# Allegro board S071AA-0413-20260427_Power.brd (continued)
## Routing (per net, layer and track width the routed paths; a pad name or vN(x,y) marks a point on that pad's centre or on a via; arc(x,y) is an arc through that point) (continued)
45.99,414.48 ; DPS8.A05 45.99,416.1 ; DPS8.A05 45.18,415.29 ; 22.32,55.88 D119.A4 ; D119.A4 23.13,56.69 ; D119.A4 23.94,55.88 ; D119.A4 23.13,55.07 ; 37.56,60.96 D119.B10 ; D119.B10 38.37,60.15 ; D119.B10 39.18,60.96 ; D119.B10 38.37,61.77 ; DPS3.C01 89.17,19.86 ; DPS3.C01 89.17,18.24 ; DPS3.C01 89.98,19.05 ; DPS3.C01 88.36,19.05 ; 129.81,359.87 CSDPS426.C1 ; CSDPS426.C1 129.81,361.49 ; CSDPS426.C1 130.62,360.68 ; CSDPS426.C1 129,360.68 ; D427.A3 125.54,386.08 ; D427.A3 124.73,385.27 ; D427.A3 123.92,386.08 ; D427.A3 124.73,386.89 ; 40.91,405.59 D432.A7 ; D432.A7 40.1,406.4 ; D432.A7 41.72,406.4 ; D432.A7 40.91,407.21 ; 19.18,347.48 UHC230.G4_11 ; UHC230.G4_11 19.18,349.1 ; UHC230.G4_11 19.99,348.29 ; UHC230.G4_11 18.37,348.29 ; 25.67,395.43 D232.A13 ; D232.A13 26.48,396.24 ; D232.A13 25.67,397.05 ; D232.A13 24.86,396.24 ; D431.A5 46.8,386.08 ; D431.A5 45.18,386.08 ; D431.A5 45.99,385.27 ; D431.A5 45.99,386.89 ; D120.B4 23.94,40.64 ; D120.B4 22.32,40.64 ; D120.B4 23.13,41.45 ; D120.B4 23.13,39.83 ; 129.81,375.11 D227.A1 ; D227.A1 129.81,376.73 ; D227.A1 130.62,375.92 ; D227.A1 129,375.92 ; 236.49,13.16 DPS1.A01 ; DPS1.A01 235.68,13.97 ; DPS1.A01 237.3,13.97 ; DPS1.A01 236.49,14.78 ; 188.23,349.71 D114.B7 ; D114.B7 187.42,350.52 ; D114.B7 188.23,351.33 ; D114.B7 189.04,350.52 ; 268.7,388.62 D112.B4 ; D112.B4 270.32,388.62 ; D112.B4 269.51,387.81 ; D112.B4 269.51,389.43 ; CSDPS229.C11 30.75,331.01 ; CSDPS229.C11 31.56,330.2 ; CSDPS229.C11 29.94,330.2 ; CSDPS229.C11 30.75,329.39 ; 28.21,34.75 D120.A6 ; D120.A6 27.4,35.56 ; D120.A6 29.02,35.56 ; D120.A6 28.21,36.37 ; D105.B10 259.35,102.41 ; D105.B10 258.54,101.6 ; D105.B10 260.16,101.6 ; D105.B10 259.35,100.79 ; 243.3,332.74 D109.A14 ; D109.A14 244.11,333.55 ; D109.A14 244.92,332.74 ; D109.A14 244.11,331.93 ; 188.23,37.29 D104.B11 ; D104.B11 187.42,38.1 ; D104.B11 188.23,38.91 ; D104.B11 189.04,38.1 ; 253.46,373.38 D111.A10 ; D111.A10 254.27,372.57 ; D111.A10 254.27,374.19 ; D111.A10 255.08,373.38 ; D107.A8 254.27,56.69 ; D107.A8 253.46,55.88 ; D107.A8 254.27,55.07 ; D107.A8 255.08,55.88 ; D123.A6 101.87,56.69 ; D123.A6 101.06,55.88 ; D123.A6 101.87,55.07 ; D123.A6 102.68,55.88 ; DPS8.B15 21.4,412.75 ; DPS8.B15 20.59,413.56 ; DPS8.B15 19.78,412.75 ; DPS8.B15 20.59,411.94 ; 119.65,93.17 D121.A13 ; D121.A13 118.84,93.98 ; D121.A13 119.65,94.79 ; D121.A13 120.46,93.98 ; 256.81,72.85 D106.A9 ; D106.A9 256,73.66 ; D106.A9 257.62,73.66 ; D106.A9 256.81,74.47 ; 93.44,375.92 D227.A15 ; D227.A15 94.25,375.11 ; D227.A15 95.06,375.92 ; D227.A15 94.25,376.73 ; 256,33.02 D108.A9 ; D108.A9 257.62,33.02 ; D108.A9 256.81,32.21 ; D108.A9 256.81,33.83 ; D115.B4 196.66,368.3 ; D115.B4 195.85,369.11 ; D115.B4 195.85,367.49 ; D115.B4 195.04,368.3 ; 239.03,80.47 D106.B2 ; D106.B2 239.03,82.09 ; D106.B2 238.22,81.28 ; D106.B2 239.84,81.28 ; 256,350.52 D110.B9 ; D110.B9 257.62,350.52 ; D110.B9 256.81,351.33 ; D110.B9 256.81,349.71 ; 38.37,403.05 D432.A8 ; D432.A8 37.56,403.86 ; D432.A8 38.37,404.67 ; D432.A8 39.18,403.86 ; D431.A10 33.29,384.35 ; D431.A10 33.29,382.73 ; D431.A10 32.48,383.54 ; D431.A10 34.1,383.54 ; D109.B10 254.27,328.47 ; D109.B10 254.27,326.85 ; D109.B10 255.08,327.66 ; D109.B10 253.46,327.66 ; D116.B8 186.5,388.62 ; D116.B8 185.69,389.43 ; D116.B8 185.69,387.81 ; D116.B8 184.88,388.62 ; CSDPS426.B16 92.52,363.22 ; CSDPS426.B16 90.9,363.22 ; CSDPS426.B16 91.71,362.41 ; CSDPS426.B16 91.71,364.03 ; 94.25,390.35 D228.B15 ; D228.B15 95.06,391.16 ; D228.B15 94.25,391.97 ; D228.B15 93.44,391.16 ; 164.56,332.74 D113.A16 ; D113.A16 165.37,331.93 ; D113.A16 166.18,332.74 ; D113.A16 165.37,333.55 ; D110.B12 250,347.98 ; D110.B12 248.38,347.98 ; D110.B12 249.19,347.17 ; D110.B12 249.19,348.79 ; 195.85,55.07 D103.A14 ; D103.A14 195.04,55.88 ; D103.A14 196.66,55.88 ; D103.A14 195.85,56.69 ; 121.38,383.54 D427.A4 ; D427.A4 122.19,382.73 ; D427.A4 122.19,384.35 ; D427.A4 123,383.54 ; DPS2.B05 194.12,412.75 ; DPS2.B05 193.31,413.56 ; DPS2.B05 192.5,412.75 ; DPS2.B05 193.31,411.94 ; D432.A12 28.21,404.67 ; D432.A12 28.21,403.05 ; D432.A12 29.02,403.86 ; D432.A12 27.4,403.86 ; 40.91,329.39 CSDPS229.C7 ; CSDPS229.C7 40.91,331.01 ; CSDPS229.C7 41.72,330.2 ; CSDPS229.C7 40.1,330.2 ; 185.69,55.07 D103.A10 ; D103.A10 186.5,55.88 ; D103.A10 185.69,56.69 ; D103.A10 184.88,55.88 ; D112.B15 242.38,391.16 ; D112.B15 240.76,391.16 ; D112.B15 241.57,391.97 ; D112.B15 241.57,390.35 ; 276.32,335.28 D109.A1 ; D109.A1 277.13,334.47 ; D109.A1 277.13,336.09 ; D109.A1 277.94,335.28 ; D106.A1 237.3,73.66 ; D106.A1 236.49,72.85 ; D106.A1 236.49,74.47 ; D106.A1 235.68,73.66 ; 169.64,55.88 D103.A4 ; D103.A4 170.45,56.69 ; D103.A4 171.26,55.88 ; D103.A4 170.45,55.07 ; 28.21,55.07 D119.A6 ; D119.A6 27.4,55.88 ; D119.A6 29.02,55.88 ; D119.A6 28.21,56.69 ; D119.B8 34.1,60.96 ; D119.B8 32.48,60.96 ; D119.B8 33.29,61.77 ; D119.B8 33.29,60.15 ; D122.A11 115.38,73.66 ; D122.A11 114.57,74.47 ; D122.A11 113.76,73.66 ; D122.A11 114.57,72.85 ; CSDPS429.B16 18.86,342.9 ; CSDPS429.B16 18.05,343.71 ; CSDPS429.B16 17.24,342.9 ; CSDPS429.B16 18.05,342.09 ; 19.78,370.84 D231.B15 ; D231.B15 21.4,370.84 ; D231.B15 20.59,371.65 ; D231.B15 20.59,370.03 ; D108.B2 239.84,40.64 ; D108.B2 239.03,39.83 ; D108.B2 239.03,41.45 ; D108.B2 238.22,40.64 ; D116.A13 173.8,396.24 ; D116.A13 172.18,396.24 ; D116.A13 172.99,395.43 ; D116.A13 172.99,397.05 ; D105.A3 241.57,94.79 ; D105.A3 242.38,93.98 ; D105.A3 240.76,93.98 ; D105.A3 241.57,93.17 ; D107.A10 259.35,56.69 ; D107.A10 260.16,55.88 ; D107.A10 258.54,55.88 ; D107.A10 259.35,55.07 ; 93.44,33.02 D124.A3 ; D124.A3 94.25,32.21 ; D124.A3 94.25,33.83 ; D124.A3 95.06,33.02 ; D109.B7 261.89,331.01 ; D109.B7 262.7,330.2 ; D109.B7 261.08,330.2 ; D109.B7 261.89,329.39 ; 241.57,57.61 D107.B3 ; D107.B3 242.38,58.42 ; D107.B3 240.76,58.42 ; D107.B3 241.57,59.23 ; 88.36,78.74 D122.B1 ; D122.B1 89.17,79.55 ; D122.B1 89.17,77.93 ; D122.B1 89.98,78.74 ; 129.81,405.59 D428.A1 ; D428.A1 129.81,407.21 ; D428.A1 130.62,406.4 ; D428.A1 129,406.4 ; CSDPS229.B10 33.29,333.55 ; CSDPS229.B10 33.29,331.93 ; CSDPS229.B10 34.1,332.74 ; CSDPS229.B10 32.48,332.74 ; 246.65,354.79 D110.A13 ; D110.A13 245.84,355.6 ; D110.A13 246.65,356.41 ; D110.A13 247.46,355.6 ; D113.B8 186.5,327.66 ; D113.B8 185.69,328.47 ; D113.B8 184.88,327.66 ; D113.B8 185.69,326.85 ; 116.3,398.78 D428.B6 ; D428.B6 117.11,399.59 ; D428.B6 117.92,398.78 ; D428.B6 117.11,397.97 ; D107.B1 237.3,58.42 ; D107.B1 235.68,58.42 ; D107.B1 236.49,59.23 ; D107.B1 236.49,57.61 ; D427.B16 92.52,378.46 ; D427.B16 91.71,377.65 ; D427.B16 91.71,379.27 ; D427.B16 90.9,378.46 ; CSDPS226.C9 110.3,350.52 ; CSDPS226.C9 109.49,351.33 ; CSDPS226.C9 109.49,349.71 ; CSDPS226.C9 108.68,350.52 ; D228.A16 92.52,393.7 ; D228.A16 91.71,394.51 ; D228.A16 90.9,393.7 ; D228.A16 91.71,392.89 ; 20.59,72.85 D118.A3 ; D118.A3 20.59,74.47 ; D118.A3 21.4,73.66 ; D118.A3 19.78,73.66 ; D105.A1 237.3,93.98 ; D105.A1 236.49,94.79 ; D105.A1 235.68,93.98 ; D105.A1 236.49,93.17 ; D431.B15 21.4,381 ; D431.B15 20.59,381.81 ; D431.B15 19.78,381 ; D431.B15 20.59,380.19 ; 20.59,400.51 D432.B15 ; D432.B15 20.59,402.13 ; D432.B15 19.78,401.32 ; D432.B15 21.4,401.32 ; 101.06,393.7 D228.A12 ; D228.A12 101.87,394.51 ; D228.A12 101.87,392.89 ; D228.A12 102.68,393.7 ; 264.43,75.39 D106.A12 ; D106.A12 263.62,76.2 ; D106.A12 265.24,76.2 ; D106.A12 264.43,77.01 ; 179.8,393.7 D116.A10 ; D116.A10 180.61,394.51 ; D116.A10 181.42,393.7 ; D116.A10 180.61,392.89 ; D110.B1 277.94,350.52 ; D110.B1 277.13,351.33 ; D110.B1 277.13,349.71 ; D110.B1 276.32,350.52 ; D428.A7 114.57,407.21 ; D428.A7 115.38,406.4 ; D428.A7 114.57,405.59 ; D428.A7 113.76,406.4 ; D103.B2 165.37,61.77 ; D103.B2 165.37,60.15 ; D103.B2 166.18,60.96 ; D103.B2 164.56,60.96 ; 273.78,353.06 D110.A2 ; D110.A2 274.59,352.25 ; D110.A2 275.4,353.06 ; D110.A2 274.59,353.87 ; D124.A10 112.84,35.56 ; D124.A10 111.22,35.56 ; D124.A10 112.03,36.37 ; D124.A10 112.03,34.75 ; CSDPS429.C11 31.56,340.36 ; CSDPS429.C11 29.94,340.36 ; CSDPS429.C11 30.75,341.17 ; CSDPS429.C11 30.75,339.55 ; 193.31,370.03 D115.B5 ; D115.B5 194.12,370.84 ; D115.B5 193.31,371.65 ; D115.B5 192.5,370.84 ; 56.15,405.59 D432.A1 ; D432.A1 56.96,406.4 ; D432.A1 55.34,406.4 ; D432.A1 56.15,407.21 ; 258.54,76.2 D106.A10 ; D106.A10 259.35,77.01 ; D106.A10 259.35,75.39 ; D106.A10 260.16,76.2 ; CSDPS226.B12 102.68,353.06 ; CSDPS226.B12 101.87,352.25 ; CSDPS226.B12 101.06,353.06 ; CSDPS226.B12 101.87,353.87 ; D115.B14 170.45,369.11 ; D115.B14 171.26,368.3 ; D115.B14 170.45,367.49 ; D115.B14 169.64,368.3 ; D104.B3 168.72,38.1 ; D104.B3 167.1,38.1 ; D104.B3 167.91,38.91 ; D104.B3 167.91,37.29 ; 35.83,32.21 D120.A9 ; D120.A9 35.83,33.83 ; D120.A9 36.64,33.02 ; D120.A9 35.02,33.02 ; 236.49,32.21 D108.A1 ; D108.A1 237.3,33.02 ; D108.A1 235.68,33.02 ; D108.A1 236.49,33.83 ; CSDPS429.C15 20.59,341.17 ; CSDPS429.C15 20.59,339.55 ; CSDPS429.C15 21.4,340.36 ; CSDPS429.C15 19.78,340.36 ; 127.27,352.25 CSDPS226.B2 ; CSDPS226.B2 126.46,353.06 ; CSDPS226.B2 127.27,353.87 ; CSDPS226.B2 128.08,353.06 ; 117.11,352.25 CSDPS226.B6 ; CSDPS226.B6 117.11,353.87 ; CSDPS226.B6 116.3,353.06 ; CSDPS226.B6 117.92,353.06 ; D124.B16 128.08,40.64 ; D124.B16 126.46,40.64 ; D124.B16 127.27,39.83 ; D124.B16 127.27,41.45 ; 93.44,381 D427.B15 ; D427.B15 95.06,381 ; D427.B15 94.25,381.81 ; D427.B15 94.25,380.19 ; CSDPS426.C13 100.14,360.68 ; CSDPS426.C13 99.33,359.87 ; CSDPS426.C13 99.33,361.49 ; CSDPS426.C13 98.52,360.68 ; D111.A6 265.24,373.38 ; D111.A6 263.62,373.38 ; D111.A6 264.43,372.57 ; D111.A6 264.43,374.19 ; 202.66,370.84 D115.B1 ; D115.B1 203.47,370.03 ; D115.B1 203.47,371.65 ; D115.B1 204.28,370.84 ; D231.A15 20.59,376.73 ; D231.A15 19.78,375.92 ; D231.A15 20.59,375.11 ; D231.A15 21.4,375.92 ; 14.7,53.34 D119.A1 ; D119.A1 15.51,52.53 ; D119.A1 16.32,53.34 ; D119.A1 15.51,54.15 ; 263.62,393.7 D112.A6 ; D112.A6 265.24,393.7 ; D112.A6 264.43,394.51 ; D112.A6 264.43,392.89 ; D122.B8 107.76,81.28 ; D122.B8 106.95,80.47 ; D122.B8 106.14,81.28 ; D122.B8 106.95,82.09 ; 104.41,405.59 D428.A11 ; D428.A11 104.41,407.21 ; D428.A11 103.6,406.4 ; D428.A11 105.22,406.4 ; D227.B17 89.98,370.84 ; D227.B17 89.17,371.65 ; D227.B17 89.17,370.03 ; D227.B17 88.36,370.84 ; CSDPS425.B16 92.52,342.9 ; CSDPS425.B16 91.71,343.71 ; CSDPS425.B16 90.9,342.9 ; CSDPS425.B16 91.71,342.09 ; D106.A2 239.03,77.01 ; D106.A2 239.03,75.39 ; D106.A2 239.84,76.2 ; D106.A2 238.22,76.2 ; D428.A16 91.71,404.67 ; D428.A16 92.52,403.86 ; D428.A16 91.71,403.05 ; D428.A16 90.9,403.86 ; 29.94,410.21 DPS8.C11 ; DPS8.C11 30.75,409.4 ; DPS8.C11 30.75,411.02 ; DPS8.C11 31.56,410.21 ; 272.05,329.39 D109.B3 ; D109.B3 271.24,330.2 ; D109.B3 272.86,330.2 ; D109.B3 272.05,331.01 ; D228.B17 89.17,391.97 ; D228.B17 89.17,390.35 ; D228.B17 88.36,391.16 ; D228.B17 89.98,391.16 ; 14.7,33.02 D120.A1 ; D120.A1 16.32,33.02 ; D120.A1 15.51,33.83 ; D120.A1 15.51,32.21 ; D227.B16 92.52,368.3 ; D227.B16 91.71,369.11 ; D227.B16 91.71,367.49 ; D227.B16 90.9,368.3 ; D227.B8 112.03,369.11 ; D227.B8 112.84,368.3 ; D227.B8 111.22,368.3 ; D227.B8 112.03,367.49 ; 261.89,57.61 D107.B11 ; D107.B11 261.89,59.23 ; D107.B11 262.7,58.42 ; D107.B11 261.08,58.42 ; CSDPS225.C5 120.46,330.2 ; CSDPS225.C5 118.84,330.2 ; CSDPS225.C5 119.65,331.01 ; CSDPS225.C5 119.65,329.39 ; D124.A7 105.22,33.02 ; D124.A7 104.41,32.21 ; D124.A7 104.41,33.83 ; D124.A7 103.6,33.02 ; 45.53,362.89 UHC430.G2_5 ; UHC430.G2_5 45.53,364.51 ; UHC430.G2_5 46.34,363.7 ; UHC430.G2_5 44.72,363.7 ; D114.A11 178.88,355.6 ; D114.A11 178.07,354.79 ; D114.A11 178.07,356.41 ; D114.A11 177.26,355.6 ; CSDPS426.C3 124.73,361.49 ; CSDPS426.C3 123.92,360.68 ; CSDPS426.C3 125.54,360.68 ; CSDPS426.C3 124.73,359.87 ; 40.91,390.35 D232.B7 ; D232.B7 41.72,391.16 ; D232.B7 40.91,391.97 ; D232.B7 40.1,391.16 ; 126.46,383.54 D427.A2 ; D427.A2 127.27,384.35 ; D427.A2 128.08,383.54 ; D427.A2 127.27,382.73 ; D105.B8 254.27,102.41 ; D105.B8 255.08,101.6 ; D105.B8 254.27,100.79 ; D105.B8 253.46,101.6 ; D104.A7 178.88,33.02 ; D104.A7 178.07,33.83 ; D104.A7 178.07,32.21 ; D104.A7 177.26,33.02 ; 180.61,39.83 D104.B8 ; D104.B8 180.61,41.45 ; D104.B8 179.8,40.64 ; D104.B8 181.42,40.64 ; D120.A2 18.05,36.37 ; D120.A2 17.24,35.56 ; D120.A2 18.05,34.75 ; D120.A2 18.86,35.56 ; 15.51,390.35 D232.B17 ; D232.B17 14.7,391.16 ; D232.B17 15.51,391.97 ; D232.B17 16.32,391.16 ; 182.34,355.6 D114.A9 ; D114.A9 183.15,354.79 ; D114.A9 183.15,356.41 ; D114.A9 183.96,355.6 ; 169.64,81.28 D102.B4 ; D102.B4 170.45,82.09 ; D102.B4 170.45,80.47 ; D102.B4 171.26,81.28 ; 175.53,326.85 D113.B12 ; D113.B12 175.53,328.47 ; D113.B12 176.34,327.66 ; D113.B12 174.72,327.66 ; D107.A7 251.73,54.15 ; D107.A7 250.92,53.34 ; D107.A7 252.54,53.34 ; D107.A7 251.73,52.53 ; D104.A9 183.15,33.83 ; D104.A9 182.34,33.02 ; D104.A9 183.96,33.02 ; D104.A9 183.15,32.21 ; 122.19,75.39 D122.A14 ; D122.A14 121.38,76.2 ; D122.A14 123,76.2 ; D122.A14 122.19,77.01 ; 250.92,375.92 D111.A11 ; D111.A11 252.54,375.92 ; D111.A11 251.73,375.11 ; D111.A11 251.73,376.73 ; 179.8,60.96 D103.B8 ; D103.B8 181.42,60.96 ; D103.B8 180.61,61.77 ; D103.B8 180.61,60.15 ; 35.02,330.2 CSDPS229.C9 ; CSDPS229.C9 36.64,330.2 ; CSDPS229.C9 35.83,331.01 ; CSDPS229.C9 35.83,329.39 ; 254.27,352.25 D110.A10 ; D110.A10 253.46,353.06 ; D110.A10 255.08,353.06 ; D110.A10 254.27,353.87 ; D228.B7 115.38,391.16 ; D228.B7 114.57,391.97 ; D228.B7 114.57,390.35 ; D228.B7 113.76,391.16 ; D119.B14 48.53,61.77 ; D119.B14 49.34,60.96 ; D119.B14 48.53,60.15 ; D119.B14 47.72,60.96 ; 55.34,396.24 D232.A1 ; D232.A1 56.15,397.05 ; D232.A1 56.15,395.43 ; D232.A1 56.96,396.24 ; D104.B10 186.5,40.64 ; D104.B10 185.69,39.83 ; D104.B10 185.69,41.45 ; D104.B10 184.88,40.64 ; 113.76,53.34 D123.A11 ; D123.A11 114.57,52.53 ; D123.A11 114.57,54.15 ; D123.A11 115.38,53.34 ; D122.A13 120.46,73.66 ; D122.A13 118.84,73.66 ; D122.A13 119.65,74.47 ; D122.A13 119.65,72.85 ; D105.B11 261.89,99.87 ; D105.B11 262.7,99.06 ; D105.B11 261.89,98.25 ; D105.B11 261.08,99.06 ; UHC430.G1_9 18.84,360.2 ; UHC430.G1_9 17.22,360.2 ; UHC430.G1_9 18.03,359.39 ; UHC430.G1_9 18.03,361.01 ; D118.A13 45.99,74.47 ; D118.A13 45.18,73.66 ; D118.A13 46.8,73.66 ; D118.A13 45.99,72.85 ; 264.43,95.71 D105.A12 ; D105.A12 265.24,96.52 ; D105.A12 264.43,97.33 ; D105.A12 263.62,96.52 ; D106.B16 275.4,81.28 ; D106.B16 273.78,81.28 ; D106.B16 274.59,82.09 ; D106.B16 274.59,80.47 ; 122.19,362.41 CSDPS426.B4 ; CSDPS426.B4 122.19,364.03 ; CSDPS426.B4 123,363.22 ; CSDPS426.B4 121.38,363.22 ; D106.B5 246.65,79.55 ; D106.B5 245.84,78.74 ; D106.B5 246.65,77.93 ; D106.B5 247.46,78.74 ; 14.7,375.92 D231.A17 ; D231.A17 15.51,376.73 ; D231.A17 16.32,375.92 ; D231.A17 15.51,375.11 ; 93.44,38.1 D124.B3 ; D124.B3 95.06,38.1 ; D124.B3 94.25,38.91 ; D124.B3 94.25,37.29 ; 190.77,387.81 D116.B6 ; D116.B6 190.77,389.43 ; D116.B6 191.58,388.62 ; D116.B6 189.96,388.62 ; 112.03,352.25 CSDPS226.B8 ; CSDPS226.B8 112.03,353.87 ; CSDPS226.B8 111.22,353.06 ; CSDPS226.B8 112.84,353.06 ; 33.29,387.81 D232.B10 ; D232.B10 32.48,388.62 ; D232.B10 33.29,389.43 ; D232.B10 34.1,388.62 ; 56.15,375.11 D231.A1 ; D231.A1 56.15,376.73 ; D231.A1 55.34,375.92 ; D231.A1 56.96,375.92 ; 198.39,52.53 D103.A15 ; D103.A15 197.58,53.34 ; D103.A15 198.39,54.15 ; D103.A15 199.2,53.34 ; 40.91,395.43 D232.A7 ; D232.A7 40.91,397.05 ; D232.A7 41.72,396.24 ; D232.A7 40.1,396.24 ; D102.B6 175.53,82.09 ; D102.B6 174.72,81.28 ; D102.B6 175.53,80.47 ; D102.B6 176.34,81.28 ; 111.22,363.22 CSDPS426.B8 ; CSDPS426.B8 112.03,364.03 ; CSDPS426.B8 112.03,362.41 ; CSDPS426.B8 112.84,363.22 ; D109.B16 239.84,327.66 ; D109.B16 238.22,327.66 ; D109.B16 239.03,328.47 ; D109.B16 239.03,326.85 ; D107.A5 247.46,53.34 ; D107.A5 246.65,54.15 ; D107.A5 245.84,53.34 ; D107.A5 246.65,52.53 ; 35.83,375.11 D231.A9 ; D231.A9 35.83,376.73 ; D231.A9 35.02,375.92 ; D231.A9 36.64,375.92 ; D101.A5 173.8,93.98 ; D101.A5 172.99,93.17 ; D101.A5 172.99,94.79 ; D101.A5 172.18,93.98 ; DPS1.C05 246.65,19.86 ; DPS1.C05 247.46,19.05 ; DPS1.C05 245.84,19.05 ; DPS1.C05 246.65,18.24 ; 162.02,58.42 D103.B1 ; D103.B1 162.83,59.23 ; D103.B1 162.83,57.61 ; D103.B1 163.64,58.42 ; D228.B12 101.87,389.43 ; D228.B12 101.06,388.62 ; D228.B12 102.68,388.62 ; D228.B12 101.87,387.81 ; 14.7,370.84 D231.B17 ; D231.B17 15.51,371.65 ; D231.B17 15.51,370.03 ; D231.B17 16.32,370.84 ; CSDPS225.C3 124.73,331.01 ; CSDPS225.C3 123.92,330.2 ; CSDPS225.C3 124.73,329.39 ; CSDPS225.C3 125.54,330.2 ; D105.B9 257.62,99.06 ; D105.B9 256,99.06 ; D105.B9 256.81,98.25 ; D105.B9 256.81,99.87 ; 124.73,349.71 CSDPS226.C3 ; CSDPS226.C3 124.73,351.33 ; CSDPS226.C3 123.92,350.52 ; CSDPS226.C3 125.54,350.52 ; 172.99,390.35 D116.B13 ; D116.B13 172.18,391.16 ; D116.B13 172.99,391.97 ; D116.B13 173.8,391.16 ; 258.54,327.66 D109.B8 ; D109.B8 259.35,326.85 ; D109.B8 260.16,327.66 ; D109.B8 259.35,328.47 ; D120.A7 30.75,33.83 ; D120.A7 30.75,32.21 ; D120.A7 29.94,33.02 ; D120.A7 31.56,33.02 ; 245.84,73.66 D106.A5 ; D106.A5 247.46,73.66 ; D106.A5 246.65,74.47 ; D106.A5 246.65,72.85 ; D108.A8 255.08,35.56 ; D108.A8 253.46,35.56 ; D108.A8 254.27,36.37 ; D108.A8 254.27,34.75 ; D119.A3 20.59,54.15 ; D119.A3 21.4,53.34 ; D119.A3 19.78,53.34 ; D119.A3 20.59,52.53 ; 192.5,355.6 D114.A5 ; D114.A5 193.31,354.79 ; D114.A5 194.12,355.6 ; D114.A5 193.31,356.41 ; 20.59,395.43 D232.A15 ; D232.A15 21.4,396.24 ; D232.A15 19.78,396.24 ; D232.A15 20.59,397.05 ; D124.B10 112.03,41.45 ; D124.B10 112.03,39.83 ; D124.B10 111.22,40.64 ; D124.B10 112.84,40.64 ; 256.81,395.43 D112.A9 ; D112.A9 256,396.24 ; D112.A9 257.62,396.24 ; D112.A9 256.81,397.05 ; 32.48,368.3 D231.B10 ; D231.B10 34.1,368.3 ; D231.B10 33.29,369.11 ; D231.B10 33.29,367.49 ; D108.A6 250,35.56 ; D108.A6 249.19,34.75 ; D108.A6 248.38,35.56 ; D108.A6 249.19,36.37 ; 18.05,377.65 D431.B16 ; D431.B16 17.24,378.46 ; D431.B16 18.05,379.27 ; D431.B16 18.86,378.46 ; 180.61,34.75 D104.A8 ; D104.A8 181.42,35.56 ; D104.A8 179.8,35.56 ; D104.A8 180.61,36.37 ; 104.41,52.53 D123.A7 ; D123.A7 103.6,53.34 ; D123.A7 105.22,53.34 ; D123.A7 104.41,54.15 ; UHC230.G3_10 46.34,350.04 ; UHC230.G3_10 45.53,350.85 ; UHC230.G3_10 45.53,349.23 ; UHC230.G3_10 44.72,350.04 ; 24.86,381 D431.B13 ; D431.B13 26.48,381 ; D431.B13 25.67,380.19 ; D431.B13 25.67,381.81 ; D120.A3 20.59,33.83 ; D120.A3 21.4,33.02 ; D120.A3 19.78,33.02 ; D120.A3 20.59,32.21 ; D124.A8 107.76,35.56 ; D124.A8 106.14,35.56 ; D124.A8 106.95,34.75 ; D124.A8 106.95,36.37 ; 264.43,347.17 D110.B6 ; D110.B6 263.62,347.98 ; D110.B6 265.24,347.98 ; D110.B6 264.43,348.79 ; D115.B12 175.53,369.11 ; D115.B12 174.72,368.3 ; D115.B12 175.53,367.49 ; D115.B12 176.34,368.3 ; 238.22,55.88 D107.A2 ; D107.A2 239.03,56.69 ; D107.A2 239.03,55.07 ; D107.A2 239.84,55.88 ; 177.26,335.28 D113.A11 ; D113.A11 178.88,335.28 ; D113.A11 178.07,336.09 ; D113.A11 178.07,334.47 ; D431.B8 39.18,378.46 ; D431.B8 37.56,378.46 ; D431.B8 38.37,377.65 ; D431.B8 38.37,379.27 ; D231.A3 51.07,376.73 ; D231.A3 51.07,375.11 ; D231.A3 51.88,375.92 ; D231.A3 50.26,375.92 ; D104.A3 167.91,33.83 ; D104.A3 167.91,32.21 ; D104.A3 168.72,33.02 ; D104.A3 167.1,33.02 ; 258.54,368.3 D111.B8 ; D111.B8 260.16,368.3 ; D111.B8 259.35,367.49 ; D111.B8 259.35,369.11 ; 114.57,370.03 D227.B7 ; D227.B7 113.76,370.84 ; D227.B7 114.57,371.65 ; D227.B7 115.38,370.84 ; D431.B1 56.96,381 ; D431.B1 55.34,381 ; D431.B1 56.15,381.81 ; D431.B1 56.15,380.19 ; D227.B14 96.79,369.11 ; D227.B14 95.98,368.3 ; D227.B14 97.6,368.3 ; D227.B14 96.79,367.49 ; 119.65,390.35 D228.B5 ; D228.B5 119.65,391.97 ; D228.B5 120.46,391.16 ; D228.B5 118.84,391.16 ; 48.53,331.93 CSDPS229.B4 ; CSDPS229.B4 49.34,332.74 ; CSDPS229.B4 47.72,332.74 ; CSDPS229.B4 48.53,333.55 ; D110.A15 241.57,356.41 ; D110.A15 241.57,354.79 ; D110.A15 240.76,355.6 ; D110.A15 242.38,355.6 ; D109.B4 269.51,328.47 ; D109.B4 269.51,326.85 ; D109.B4 270.32,327.66 ; D109.B4 268.7,327.66 ; D115.A4 196.66,373.38 ; D115.A4 195.85,372.57 ; D115.A4 195.85,374.19 ; D115.A4 195.04,373.38 ; 258.54,40.64 D108.B10 ; D108.B10 260.16,40.64 ; D108.B10 259.35,41.45 ; D108.B10 259.35,39.83 ; D228.B3 125.54,391.16 ; D228.B3 124.73,391.97 ; D228.B3 124.73,390.35 ; D228.B3 123.92,391.16 ; 246.65,370.03 D111.B13 ; D111.B13 247.46,370.84 ; D111.B13 245.84,370.84 ; D111.B13 246.65,371.65 ; 195.85,326.85 D113.B4 ; D113.B4 195.85,328.47 ; D113.B4 195.04,327.66 ; D113.B4 196.66,327.66 ; D121.B16 127.27,102.41 ; D121.B16 128.08,101.6 ; D121.B16 126.46,101.6 ; D121.B16 127.27,100.79 ; 240.76,375.92 D111.A15 ; D111.A15 241.57,376.73 ; D111.A15 241.57,375.11 ; D111.A15 242.38,375.92 ; 244.11,372.57 D111.A14 ; D111.A14 243.3,373.38 ; D111.A14 244.11,374.19 ; D111.A14 244.92,373.38 ; 99.33,37.29 D124.B5 ; D124.B5 98.52,38.1 ; D124.B5 99.33,38.91 ; D124.B5 100.14,38.1 ; D103.B14 196.66,60.96 ; D103.B14 195.85,61.77 ; D103.B14 195.04,60.96 ; D103.B14 195.85,60.15 ; D109.A9 256.81,336.09 ; D109.A9 256.81,334.47 ; D109.A9 257.62,335.28 ; D109.A9 256,335.28 ; 165.37,326.85 D113.B16 ; D113.B16 166.18,327.66 ; D113.B16 165.37,328.47 ; D113.B16 164.56,327.66 ; D102.B3 167.91,79.55 ; D102.B3 168.72,78.74 ; D102.B3 167.91,77.93 ; D102.B3 167.1,78.74 ; D431.A11 31.56,386.08 ; D431.A11 30.75,385.27 ; D431.A11 30.75,386.89 ; D431.A11 29.94,386.08 ; D123.B2 91.71,61.77 ; D123.B2 92.52,60.96 ; D123.B2 90.9,60.96 ; D123.B2 91.71,60.15 ; D103.A8 181.42,55.88 ; D103.A8 180.61,55.07 ; D103.A8 180.61,56.69 ; D103.A8 179.8,55.88 ; 116.3,373.38 D227.A6 ; D227.A6 117.92,373.38 ; D227.A6 117.11,372.57 ; D227.A6 117.11,374.19 ; D106.A6 249.19,77.01 ; D106.A6 250,76.2 ; D106.A6 248.38,76.2 ; D106.A6 249.19,75.39 ; 116.3,368.3 D227.B6 ; D227.B6 117.11,367.49 ; D227.B6 117.92,368.3 ; D227.B6 117.11,369.11 ; D432.B5 45.99,402.13 ; D432.B5 45.99,400.51 ; D432.B5 46.8,401.32 ; D432.B5 45.18,401.32 ; D428.B16 92.52,398.78 ; D428.B16 91.71,399.59 ; D428.B16 91.71,397.97 ; D428.B16 90.9,398.78 ; UHC230.G4_8 14.58,352.6 ; UHC230.G4_8 14.58,350.98 ; UHC230.G4_8 13.77,351.79 ; UHC230.G4_8 15.39,351.79 ; CSDPS426.C5 120.46,360.68 ; CSDPS426.C5 118.84,360.68 ; CSDPS426.C5 119.65,361.49 ; CSDPS426.C5 119.65,359.87 ; D427.A1 129.81,386.89 ; D427.A1 129.81,385.27 ; D427.A1 130.62,386.08 ; D427.A1 129,386.08 ; D432.A15 20.59,407.21 ; D432.A15 20.59,405.59 ; D432.A15 19.78,406.4 ; D432.A15 21.4,406.4 ; 182.34,53.34 D103.A9 ; D103.A9 183.15,54.15 ; D103.A9 183.15,52.53 ; D103.A9 183.96,53.34 ; D105.B15 272.05,99.87 ; D105.B15 271.24,99.06 ; D105.B15 272.05,98.25 ; D105.B15 272.86,99.06 ; 272.05,18.24 DPS1.C15 ; DPS1.C15 271.24,19.05 ; DPS1.C15 272.86,19.05 ; DPS1.C15 272.05,19.86 ; D110.B8 260.16,347.98 ; D110.B8 259.35,348.79 ; D110.B8 259.35,347.17 ; D110.B8 258.54,347.98 ; 112.03,75.39 D122.A10 ; D122.A10 112.84,76.2 ; D122.A10 111.22,76.2 ; D122.A10 112.03,77.01 ; D112.A7 261.89,397.05 ; D112.A7 261.08,396.24 ; D112.A7 262.7,396.24 ; D112.A7 261.89,395.43 ; D121.A3 95.06,93.98 ; D121.A3 94.25,94.79 ; D121.A3 94.25,93.17 ; D121.A3 93.44,93.98 ; CSDPS229.C3 51.88,330.2 ; CSDPS229.C3 50.26,330.2 ; CSDPS229.C3 51.07,331.01 ; CSDPS229.C3 51.07,329.39 ; 116.3,35.56 D124.A12 ; D124.A12 117.92,35.56 ; D124.A12 117.11,34.75 ; D124.A12 117.11,36.37 ; D231.B16 18.86,368.3 ; D231.B16 18.05,369.11 ; D231.B16 17.24,368.3 ; D231.B16 18.05,367.49 ; D123.B7 104.41,59.23 ; D123.B7 104.41,57.61 ; D123.B7 105.22,58.42 ; D123.B7 103.6,58.42 ; UHC230.G4_12 17.69,348.29 ; UHC230.G4_12 16.88,347.48 ; UHC230.G4_12 16.88,349.1 ; UHC230.G4_12 16.07,348.29 ; D431.B7 41.72,381 ; D431.B7 40.91,380.19 ; D431.B7 40.91,381.81 ; D431.B7 40.1,381 ; DPS8.A15 21.4,415.29 ; DPS8.A15 20.59,416.1 ; DPS8.A15 20.59,414.48 ; DPS8.A15 19.78,415.29 ; 244.11,347.17 D110.B14 ; D110.B14 243.3,347.98 ; D110.B14 244.92,347.98 ; D110.B14 244.11,348.79 ; D110.A1 277.94,355.6 ; D110.A1 277.13,354.79 ; D110.A1 277.13,356.41 ; D110.A1 276.32,355.6 ; D427.B5 119.65,381.81 ; D427.B5 118.84,381 ; D427.B5 119.65,380.19 ; D427.B5 120.46,381 ; 113.76,99.06 D121.B11 ; D121.B11 114.57,98.25 ; D121.B11 115.38,99.06 ; D121.B11 114.57,99.87 ; 24.86,33.02 D120.A5 ; D120.A5 25.67,32.21 ; D120.A5 26.48,33.02 ; D120.A5 25.67,33.83 ; 178.07,72.85 D102.A7 ; D102.A7 177.26,73.66 ; D102.A7 178.88,73.66 ; D102.A7 178.07,74.47 ; 190.77,95.71 D101.A12 191.58,96.52 ; D231.B5 46.8,370.84 ; D231.B5 45.18,370.84 ; D231.B5 45.99,370.03 ; D231.B5 45.99,371.65 ; D431.A7 41.72,386.08 ; D431.A7 40.1,386.08 ; D431.A7 40.91,386.89 ; D431.A7 40.91,385.27 ; 264.43,34.75 D108.A12 ; D108.A12 263.62,35.56 ; D108.A12 265.24,35.56 ; D108.A12 264.43,36.37 ; D108.A15 272.86,33.02 ; D108.A15 272.05,32.21 ; D108.A15 271.24,33.02 ; D108.A15 272.05,33.83 ; D231.B6 43.45,369.11 ; D231.B6 44.26,368.3 ; D231.B6 43.45,367.49 ; D231.B6 42.64,368.3 ; 193.31,98.25 D101.B13 ; D101.B13 194.12,99.06 ; D101.B13 192.5,99.06 ; D101.B13 193.31,99.87 ; 274.59,367.49 D111.B2 ; D111.B2 273.78,368.3 ; D111.B2 274.59,369.11 ; D111.B2 275.4,368.3 ; 179.8,373.38 D115.A10 ; D115.A10 181.42,373.38 ; D115.A10 180.61,372.57 ; D115.A10 180.61,374.19 ; 122.19,372.57 D227.A4 ; D227.A4 123,373.38 ; D227.A4 121.38,373.38 ; D227.A4 122.19,374.19 ; 88.36,375.92 D227.A17 ; D227.A17 89.17,375.11 ; D227.A17 89.98,375.92 ; D227.A17 89.17,376.73 ; 192.5,391.16 D116.B5 ; D116.B5 193.31,391.97 ; D116.B5 194.12,391.16 ; D116.B5 193.31,390.35 ; 17.24,332.74 CSDPS229.B16 ; CSDPS229.B16 18.86,332.74 ; CSDPS229.B16 18.05,333.55 ; CSDPS229.B16 18.05,331.93 ; D114.A12 176.34,353.06 ; D114.A12 174.72,353.06 ; D114.A12 175.53,352.25 ; D114.A12 175.53,353.87 ; 235.68,19.05 DPS1.C01 ; DPS1.C01 236.49,19.86 ; DPS1.C01 237.3,19.05 ; DPS1.C01 236.49,18.24 ; 116.3,363.22 CSDPS426.B6 ; CSDPS426.B6 117.92,363.22 ; CSDPS426.B6 117.11,364.03 ; CSDPS426.B6 117.11,362.41 ; CSDPS429.C3 51.88,340.36 ; CSDPS429.C3 50.26,340.36 ; CSDPS429.C3 51.07,341.17 ; CSDPS429.C3 51.07,339.55 ; 256,58.42 D107.B9 ; D107.B9 257.62,58.42 ; D107.B9 256.81,57.61 ; D107.B9 256.81,59.23 ; 164.56,373.38 D115.A16 ; D115.A16 165.37,374.19 ; D115.A16 166.18,373.38 ; D115.A16 165.37,372.57 ; D116.B1 203.47,391.97 ; D116.B1 202.66,391.16 ; D116.B1 203.47,390.35 ; D116.B1 204.28,391.16 ; D121.B8 106.95,102.41 ; D121.B8 106.14,101.6 ; D121.B8 107.76,101.6 ; D121.B8 106.95,100.79 ; 117.11,39.83 D124.B12 ; D124.B12 116.3,40.64 ; D124.B12 117.92,40.64 ; D124.B12 117.11,41.45 ; 266.97,98.25 D105.B13 ; D105.B13 266.97,99.87 ; D105.B13 267.78,99.06 ; D105.B13 266.16,99.06 ; D102.A4 170.45,77.01 ; D102.A4 171.26,76.2 ; D102.A4 169.64,76.2 ; D102.A4 170.45,75.39 ; D119.B11 41.72,58.42 ; D119.B11 40.91,57.61 ; D119.B11 40.1,58.42 ; D119.B11 40.91,59.23 ; 25.67,385.27 D431.A13 ; D431.A13 26.48,386.08 ; D431.A13 24.86,386.08 ; D431.A13 25.67,386.89 ; 42.64,40.64 D120.B12 ; D120.B12 43.45,41.45 ; D120.B12 44.26,40.64 ; D120.B12 43.45,39.83 ; D432.B14 23.94,398.78 ; D432.B14 23.13,397.97 ; D432.B14 22.32,398.78 ; D432.B14 23.13,399.59 ; UHC230.G4_4 18.03,354.35 ; UHC230.G4_4 18.84,353.54 ; UHC230.G4_4 18.03,352.73 ; UHC230.G4_4 17.22,353.54 ; 178.07,409.4 DPS2.C11 ; DPS2.C11 178.88,410.21 ; DPS2.C11 178.07,411.02 ; DPS2.C11 177.26,410.21 ; 126.46,398.78 D428.B2 ; D428.B2 128.08,398.78 ; D428.B2 127.27,399.59 ; D428.B2 127.27,397.97 ; D115.A14 171.26,373.38 ; D115.A14 170.45,374.19 ; D115.A14 169.64,373.38 ; D115.A14 170.45,372.57 ; 18.05,397.97 D432.B16 ; D432.B16 17.24,398.78 ; D432.B16 18.86,398.78 ; D432.B16 18.05,399.59 ; D119.A7 31.56,53.34 ; D119.A7 30.75,54.15 ; D119.A7 30.75,52.53 ; D119.A7 29.94,53.34 ; D119.A9 36.64,53.34 ; D119.A9 35.02,53.34 ; D119.A9 35.83,52.53 ; D119.A9 35.83,54.15 ; D107.A11 262.7,53.34 ; D107.A11 261.89,54.15 ; D107.A11 261.89,52.53 ; D107.A11 261.08,53.34 ; 111.22,398.78 D428.B8 ; D428.B8 112.03,399.59 ; D428.B8 112.03,397.97 ; D428.B8 112.84,398.78 ; 18.05,55.07 D119.A2 ; D119.A2 18.86,55.88 ; D119.A2 17.24,55.88 ; D119.A2 18.05,56.69 ; D231.A8 39.18,373.38 ; D231.A8 38.37,372.57 ; D231.A8 38.37,374.19 ; D231.A8 37.56,373.38 ; 35.02,370.84 D231.B9 ; D231.B9 36.64,370.84 ; D231.B9 35.83,370.03 ; D231.B9 35.83,371.65 ; D122.B6 101.87,82.09 ; D122.B6 102.68,81.28 ; D122.B6 101.87,80.47 ; D122.B6 101.06,81.28 ; 116.3,81.28 D122.B12 ; D122.B12 117.92,81.28 ; D122.B12 117.11,82.09 ; D122.B12 117.11,80.47 ; DPS2.B15 167.91,413.56 ; DPS2.B15 168.72,412.75 ; DPS2.B15 167.91,411.94 ; DPS2.B15 167.1,412.75 ; 32.48,403.86 D432.A10 ; D432.A10 33.29,404.67 ; D432.A10 33.29,403.05 ; D432.A10 34.1,403.86 ; 182.34,350.52 D114.B9 ; D114.B9 183.15,349.71 ; D114.B9 183.96,350.52 ; D114.B9 183.15,351.33 ; D228.A15 94.25,397.05 ; D228.A15 93.44,396.24 ; D228.A15 94.25,395.43 ; D228.A15 95.06,396.24 ; 106.95,387.81 D228.B10 ; D228.B10 106.95,389.43 ; D228.B10 107.76,388.62 ; D228.B10 106.14,388.62 ; UHC230.G3 47.49,351.79 ; UHC230.G3 46.68,352.6 ; UHC230.G3 46.68,350.98 ; UHC230.G3 45.87,351.79 ; 243.3,60.96 D107.B4 ; D107.B4 244.11,60.15 ; D107.B4 244.11,61.77 ; D107.B4 244.92,60.96 ; CSDPS225.B4 123,332.74 ; CSDPS225.B4 121.38,332.74 ; CSDPS225.B4 122.19,333.55 ; CSDPS225.B4 122.19,331.93 ; 14.92,360.2 UHC430.G1_10 ; UHC430.G1_10 15.73,361.01 ; UHC430.G1_10 15.73,359.39 ; UHC430.G1_10 16.54,360.2 ; 113.76,58.42 D123.B11 ; D123.B11 114.57,59.23 ; D123.B11 114.57,57.61 ; D123.B11 115.38,58.42 ; D228.A7 114.57,397.05 ; D228.A7 115.38,396.24 ; D228.A7 114.57,395.43 ; D228.A7 113.76,396.24 ; D428.B5 120.46,401.32 ; D428.B5 118.84,401.32 ; D428.B5 119.65,400.51 ; D428.B5 119.65,402.13 ; D120.B2 18.86,40.64 ; D120.B2 18.05,41.45 ; D120.B2 18.05,39.83 ; D120.B2 17.24,40.64 ; 23.13,34.75 D120.A4 ; D120.A4 22.32,35.56 ; D120.A4 23.13,36.37 ; D120.A4 23.94,35.56 ; D231.A4 48.53,374.19 ; D231.A4 49.34,373.38 ; D231.A4 47.72,373.38 ; D231.A4 48.53,372.57 ; D228.B8 112.03,389.43 ; D228.B8 111.22,388.62 ; D228.B8 112.84,388.62 ; D228.B8 112.03,387.81 ; 245.84,16.51 DPS1.B05 ; DPS1.B05 246.65,15.7 ; DPS1.B05 247.46,16.51 ; DPS1.B05 246.65,17.32 ; 174.72,388.62 D116.B12 ; D116.B12 175.53,387.81 ; D116.B12 176.34,388.62 ; D116.B12 175.53,389.43 ; D124.A4 97.6,35.56 ; D124.A4 96.79,36.37 ; D124.A4 95.98,35.56 ; D124.A4 96.79,34.75 ; 266.16,53.34 D107.A13 ; D107.A13 266.97,54.15 ; D107.A13 266.97,52.53 ; D107.A13 267.78,53.34 ; D103.A2 166.18,55.88 ; D103.A2 165.37,55.07 ; D103.A2 165.37,56.69 ; D103.A2 164.56,55.88 ; 104.41,37.29 D124.B7 ; D124.B7 104.41,38.91 ; D124.B7 103.6,38.1 ; D124.B7 105.22,38.1 ; 101.87,342.09 CSDPS425.B12 ; CSDPS425.B12 101.87,343.71 ; CSDPS425.B12 101.06,342.9 ; CSDPS425.B12 102.68,342.9 ; 51.07,405.59 D432.A3 ; D432.A3 50.26,406.4 ; D432.A3 51.07,407.21 ; D432.A3 51.88,406.4 ; D232.A8 38.37,394.51 ; D232.A8 39.18,393.7 ; D232.A8 37.56,393.7 ; D232.A8 38.37,392.89 ; 174.72,55.88 D103.A6 ; D103.A6 176.34,55.88 ; D103.A6 175.53,55.07 ; D103.A6 175.53,56.69 ; 256,370.84 D111.B9 ; D111.B9 257.62,370.84 ; D111.B9 256.81,370.03 ; D111.B9 256.81,371.65 ; 101.87,34.75 D124.A6 ; D124.A6 101.87,36.37 ; D124.A6 101.06,35.56 ; D124.A6 102.68,35.56 ; 114.57,380.19 D427.B7 ; D427.B7 115.38,381 ; D427.B7 113.76,381 ; D427.B7 114.57,381.81 ; 108.68,58.42 D123.B9 ; D123.B9 109.49,57.61 ; D123.B9 110.3,58.42 ; D123.B9 109.49,59.23 ; D227.A12 102.68,373.38 ; D227.A12 101.06,373.38 ; D227.A12 101.87,374.19 ; D227.A12 101.87,372.57 ; UHC430.G1_8 15.39,361.95 ; UHC430.G1_8 13.77,361.95 ; UHC430.G1_8 14.58,361.14 ; UHC430.G1_8 14.58,362.76 ; D123.A1 89.98,53.34 ; D123.A1 89.17,52.53 ; D123.A1 88.36,53.34 ; D123.A1 89.17,54.15 ; D118.A15 51.88,73.66 ; D118.A15 51.07,74.47 ; D118.A15 50.26,73.66 ; D118.A15 51.07,72.85 ; 200.12,353.06 D114.A2 ; D114.A2 200.93,353.87 ; D114.A2 201.74,353.06 ; D114.A2 200.93,352.25 ; 276.32,370.84 D111.B1 ; D111.B1 277.13,371.65 ; D111.B1 277.94,370.84 ; D111.B1 277.13,370.03 ; 251.73,395.43 D112.A11 ; D112.A11 250.92,396.24 ; D112.A11 251.73,397.05 ; D112.A11 252.54,396.24 ; D107.B7 251.73,59.23 ; D107.B7 251.73,57.61 ; D107.B7 252.54,58.42 ; D107.B7 250.92,58.42 ; D427.B11 104.41,381.81 ; D427.B11 104.41,380.19 ; D427.B11 103.6,381 ; D427.B11 105.22,381 ; D428.B15 95.06,401.32 ; D428.B15 93.44,401.32 ; D428.B15 94.25,402.13 ; D428.B15 94.25,400.51 ; UHC430.G1_5 15.73,364.51 ; UHC430.G1_5 15.73,362.89 ; UHC430.G1_5 16.54,363.7 ; UHC430.G1_5 14.92,363.7 ; 43.57,361.95 UHC430.G2_8 ; UHC430.G2_8 44.38,362.76 ; UHC430.G2_8 45.19,361.95 ; UHC430.G2_8 44.38,361.14 ; D427.A13 100.14,386.08 ; D427.A13 98.52,386.08 ; D427.A13 99.33,386.89 ; D427.A13 99.33,385.27 ; 47.72,398.78 D432.B4 ; D432.B4 49.34,398.78 ; D432.B4 48.53,399.59 ; D432.B4 48.53,397.97 ; 164.56,393.7 D116.A16 ; D116.A16 165.37,392.89 ; D116.A16 165.37,394.51 ; D116.A16 166.18,393.7 ; CSDPS429.B8 38.37,343.71 ; CSDPS429.B8 39.18,342.9 ; CSDPS429.B8 37.56,342.9 ; CSDPS429.B8 38.37,342.09 ; D431.A12 29.02,383.54 ; D431.A12 27.4,383.54 ; D431.A12 28.21,382.73 ; D431.A12 28.21,384.35 ; D113.A13 173.8,335.28 ; D113.A13 172.18,335.28 ; D113.A13 172.99,334.47 ; D113.A13 172.99,336.09 ; 197.58,350.52 D114.B3 ; D114.B3 199.2,350.52 ; D114.B3 198.39,351.33 ; D114.B3 198.39,349.71 ; D428.B14 97.6,398.78 ; D428.B14 96.79,399.59 ; D428.B14 95.98,398.78 ; D428.B14 96.79,397.97 ; D106.A3 242.38,73.66 ; D106.A3 241.57,72.85 ; D106.A3 241.57,74.47 ; D106.A3 240.76,73.66 ; 268.7,347.98 D110.B4 ; D110.B4 270.32,347.98 ; D110.B4 269.51,348.79 ; D110.B4 269.51,347.17 ; 38.37,55.07 D119.A10 ; D119.A10 39.18,55.88 ; D119.A10 38.37,56.69 ; D119.A10 37.56,55.88 ; 25.67,37.29 D120.B5 ; D120.B5 24.86,38.1 ; D120.B5 26.48,38.1 ; D120.B5 25.67,38.91 ; D111.B12 250,368.3 ; D111.B12 249.19,369.11 ; D111.B12 248.38,368.3 ; D111.B12 249.19,367.49 ; 172.18,78.74 D102.B5 ; D102.B5 172.99,79.55 ; D102.B5 172.99,77.93 ; D102.B5 173.8,78.74 ; 45.87,348.29 UHC230.G3_12 ; UHC230.G3_12 47.49,348.29 ; UHC230.G3_12 46.68,347.48 ; UHC230.G3_12 46.68,349.1 ; D103.A1 163.64,53.34 ; D103.A1 162.83,54.15 ; D103.A1 162.02,53.34 ; D103.A1 162.83,52.53 ; D115.B13 173.8,370.84 ; D115.B13 172.18,370.84 ; D115.B13 172.99,370.03 ; D115.B13 172.99,371.65 ; 88.36,99.06 D121.B1 ; D121.B1 89.17,99.87 ; D121.B1 89.17,98.25 ; D121.B1 89.98,99.06 ; 111.22,81.28 D122.B10 ; D122.B10 112.03,80.47 ; D122.B10 112.84,81.28 ; D122.B10 112.03,82.09 ; D124.A2 91.71,36.37 ; D124.A2 92.52,35.56 ; D124.A2 90.9,35.56 ; D124.A2 91.71,34.75 ; D124.B2 91.71,41.45 ; D124.B2 92.52,40.64 ; D124.B2 91.71,39.83 ; D124.B2 90.9,40.64 ; 118.84,99.06 D121.B13 ; D121.B13 119.65,98.25 ; D121.B13 120.46,99.06 ; D121.B13 119.65,99.87 ; D105.B16 275.4,101.6 ; D105.B16 274.59,102.41 ; D105.B16 273.78,101.6 ; D105.B16 274.59,100.79 ; D101.B15 199.2,99.06 ; D101.B15 197.58,99.06 ; D101.B15 198.39,99.87 ; D101.B15 198.39,98.25 ; D107.B15 272.86,58.42 ; D107.B15 272.05,59.23 ; D107.B15 272.05,57.61 ; D107.B15 271.24,58.42 ; 271.24,53.34 D107.A15 ; D107.A15 272.05,52.53 ; D107.A15 272.05,54.15 ; D107.A15 272.86,53.34 ; 14.58,347.48 UHC230.G4_13 ; UHC230.G4_13 15.39,348.29 ; UHC230.G4_13 13.77,348.29 ; UHC230.G4_13 14.58,349.1 ; 258.54,60.96 D107.B10 ; D107.B10 260.16,60.96 ; D107.B10 259.35,61.77 ; D107.B10 259.35,60.15 ; DPS2.B01 204.28,412.75 ; DPS2.B01 202.66,412.75 ; DPS2.B01 203.47,411.94 ; DPS2.B01 203.47,413.56 ; D111.A4 269.51,374.19 ; D111.A4 269.51,372.57 ; D111.A4 268.7,373.38 ; D111.A4 270.32,373.38 ; 165.37,367.49 D115.B16 ; D115.B16 165.37,369.11 ; D115.B16 166.18,368.3 ; D115.B16 164.56,368.3 ; 261.08,16.51 DPS1.B11 ; DPS1.B11 262.7,16.51 ; DPS1.B11 261.89,15.7 ; DPS1.B11 261.89,17.32 ; D122.B4 97.6,81.28 ; D122.B4 96.79,82.09 ; D122.B4 96.79,80.47 ; D122.B4 95.98,81.28 ; D106.A8 254.27,77.01 ; D106.A8 255.08,76.2 ; D106.A8 253.46,76.2 ; D106.A8 254.27,75.39 ; 253.46,81.28 D106.B8 ; D106.B8 254.27,82.09 ; D106.B8 254.27,80.47 ; D106.B8 255.08,81.28 ; 170.45,34.75 D104.A4 ; D104.A4 170.45,36.37 ; D104.A4 171.26,35.56 ; D104.A4 169.64,35.56 ; D102.A13 194.12,73.66 ; D102.A13 193.31,74.47 ; D102.A13 193.31,72.85 ; D102.A13 192.5,73.66 ; 184.88,347.98 D114.B8 ; D114.B8 185.69,348.79 ; D114.B8 185.69,347.17 ; D114.B8 186.5,347.98 ; 117.11,342.09 CSDPS425.B6 ; CSDPS425.B6 116.3,342.9 ; CSDPS425.B6 117.11,343.71 ; CSDPS425.B6 117.92,342.9 ; 197.58,330.2 D113.B3 ; D113.B3 198.39,331.01 ; D113.B3 198.39,329.39 ; D113.B3 199.2,330.2 ; D103.A16 200.93,56.69 ; D103.A16 200.12,55.88 ; D103.A16 201.74,55.88 ; D103.A16 200.93,55.07 ; 96.79,95.71 D121.A4 ; D121.A4 97.6,96.52 ; D121.A4 96.79,97.33 ; D121.A4 95.98,96.52 ; D113.A10 180.61,333.55 ; D113.A10 180.61,331.93 ; D113.A10 179.8,332.74 ; D113.A10 181.42,332.74 ; D103.B6 176.34,60.96 ; D103.B6 175.53,61.77 ; D103.B6 175.53,60.15 ; D103.B6 174.72,60.96 ; 29.94,58.42 D119.B7 ; D119.B7 31.56,58.42 ; D119.B7 30.75,57.61 ; D119.B7 30.75,59.23 ; 14.7,401.32 D432.B17 ; D432.B17 15.51,400.51 ; D432.B17 16.32,401.32 ; D432.B17 15.51,402.13 ; 48.17,355.29 UHC230.G3_1 ; UHC230.G3_1 48.98,354.48 ; UHC230.G3_1 49.79,355.29 ; UHC230.G3_1 48.98,356.1 ; 48.53,367.49 D231.B4 ; D231.B4 48.53,369.11 ; D231.B4 49.34,368.3 ; D231.B4 47.72,368.3 ; D227.B11 105.22,370.84 ; D227.B11 103.6,370.84 ; D227.B11 104.41,370.03 ; D227.B11 104.41,371.65 ; D110.B3 272.86,350.52 ; D110.B3 272.05,351.33 ; D110.B3 271.24,350.52 ; D110.B3 272.05,349.71 ; 268.7,81.28 D106.B14 ; D106.B14 269.51,80.47 ; D106.B14 270.32,81.28 ; D106.B14 269.51,82.09 ; D107.A4 244.11,56.69 ; D107.A4 244.92,55.88 ; D107.A4 243.3,55.88 ; D107.A4 244.11,55.07 ; D228.B2 127.27,389.43 ; D228.B2 126.46,388.62 ; D228.B2 127.27,387.81 ; D228.B2 128.08,388.62 ; 28.21,387.81 D232.B12 ; D232.B12 28.21,389.43 ; D232.B12 29.02,388.62 ; D232.B12 27.4,388.62 ; D102.A8 181.42,76.2 ; D102.A8 179.8,76.2 ; D102.A8 180.61,75.39 ; D102.A8 180.61,77.01 ; D431.B14 23.94,378.46 ; D431.B14 22.32,378.46 ; D431.B14 23.13,377.65 ; D431.B14 23.13,379.27 ; D120.B6 28.21,41.45 ; D120.B6 28.21,39.83 ; D120.B6 27.4,40.64 ; D120.B6 29.02,40.64 ; 253.46,347.98 D110.B10 ; D110.B10 254.27,348.79 ; D110.B10 255.08,347.98 ; D110.B10 254.27,347.17 ; 266.97,329.39 D109.B5 ; D109.B5 267.78,330.2 ; D109.B5 266.16,330.2 ; D109.B5 266.97,331.01 ; UHC430.G1_2 17.69,365.45 ; UHC430.G1_2 16.88,366.26 ; UHC430.G1_2 16.07,365.45 ; UHC430.G1_2 16.88,364.64 ; CSDPS225.B16 91.71,333.55 ; CSDPS225.B16 91.71,331.93 ; CSDPS225.B16 90.9,332.74 ; CSDPS225.B16 92.52,332.74 ; 88.36,38.1 D124.B1 ; D124.B1 89.17,37.29 ; D124.B1 89.98,38.1 ; D124.B1 89.17,38.91 ; D231.A2 54.42,373.38 ; D231.A2 53.61,372.57 ; D231.A2 53.61,374.19 ; D231.A2 52.8,373.38 ; 16.07,355.29 UHC230.G4_2 ; UHC230.G4_2 16.88,354.48 ; UHC230.G4_2 17.69,355.29 ; UHC230.G4_2 16.88,356.1 ; D106.A11 261.89,74.47 ; D106.A11 261.89,72.85 ; D106.A11 262.7,73.66 ; D106.A11 261.08,73.66 ; D227.B10 107.76,368.3 ; D227.B10 106.95,369.11 ; D227.B10 106.95,367.49 ; D227.B10 106.14,368.3 ; D432.A16 18.86,403.86 ; D432.A16 18.05,403.05 ; D432.A16 18.05,404.67 ; D432.A16 17.24,403.86 ; D102.B7 178.88,78.74 ; D102.B7 178.07,79.55 ; D102.B7 178.07,77.93 ; D102.B7 177.26,78.74 ; D110.A14 244.11,353.87 ; D110.A14 244.11,352.25 ; D110.A14 243.3,353.06 ; D110.A14 244.92,353.06 ; D102.B13 193.31,79.55 ; D102.B13 192.5,78.74 ; D102.B13 193.31,77.93 ; D102.B13 194.12,78.74 ; 241.57,98.25 D105.B3 ; D105.B3 240.76,99.06 ; D105.B3 241.57,99.87 ; D105.B3 242.38,99.06 ; D114.B10 180.61,348.79 ; D114.B10 180.61,347.17 ; D114.B10 181.42,347.98 ; D114.B10 179.8,347.98 ; D114.B11 178.07,351.33 ; D114.B11 178.88,350.52 ; D114.B11 178.07,349.71 ; D114.B11 177.26,350.52 ; 165.37,347.17 D114.B16 ; D114.B16 164.56,347.98 ; D114.B16 166.18,347.98 ; D114.B16 165.37,348.79 ; D116.B4 195.85,389.43 ; D116.B4 195.04,388.62 ; D116.B4 195.85,387.81 ; D116.B4 196.66,388.62 ; D227.A16 91.71,374.19 ; D227.A16 92.52,373.38 ; D227.A16 91.71,372.57 ; D227.A16 90.9,373.38 ; D119.A11 40.91,54.15 ; D119.A11 40.1,53.34 ; D119.A11 41.72,53.34 ; D119.A11 40.91,52.53 ; D102.A11 188.23,74.47 ; D102.A11 187.42,73.66 ; D102.A11 188.23,72.85 ; D102.A11 189.04,73.66 ; 197.58,78.74 D102.B15 ; D102.B15 198.39,79.55 ; D102.B15 198.39,77.93 ; D102.B15 199.2,78.74 ; 43.45,403.05 D432.A6 ; D432.A6 44.26,403.86 ; D432.A6 43.45,404.67 ; D432.A6 42.64,403.86 ; D122.B2 91.71,82.09 ; D122.B2 92.52,81.28 ; D122.B2 91.71,80.47 ; D122.B2 90.9,81.28 ; 183.15,395.43 D116.A9 ; D116.A9 183.15,397.05 ; D116.A9 182.34,396.24 ; D116.A9 183.96,396.24 ; D428.A9 109.49,407.21 ; D428.A9 109.49,405.59 ; D428.A9 108.68,406.4 ; D428.A9 110.3,406.4 ; D116.B9 183.96,391.16 ; D116.B9 183.15,391.97 ; D116.B9 183.15,390.35 ; D116.B9 182.34,391.16 ; 47.72,40.64 D120.B14 ; D120.B14 